# Altium PCB PCB v2.8.PcbDoc
Units mm, origin at the board's own origin, x right, y up, seen from the top; angles counter-clockwise.
Board outline 52 x 32 mm, 2 copper layers (Top Layer, Bottom Layer), stack 1.672 mm thick; 48 components, 43 nets, 197 pads, 40 vias.
Unrouted connection lines stored in the file: 7.
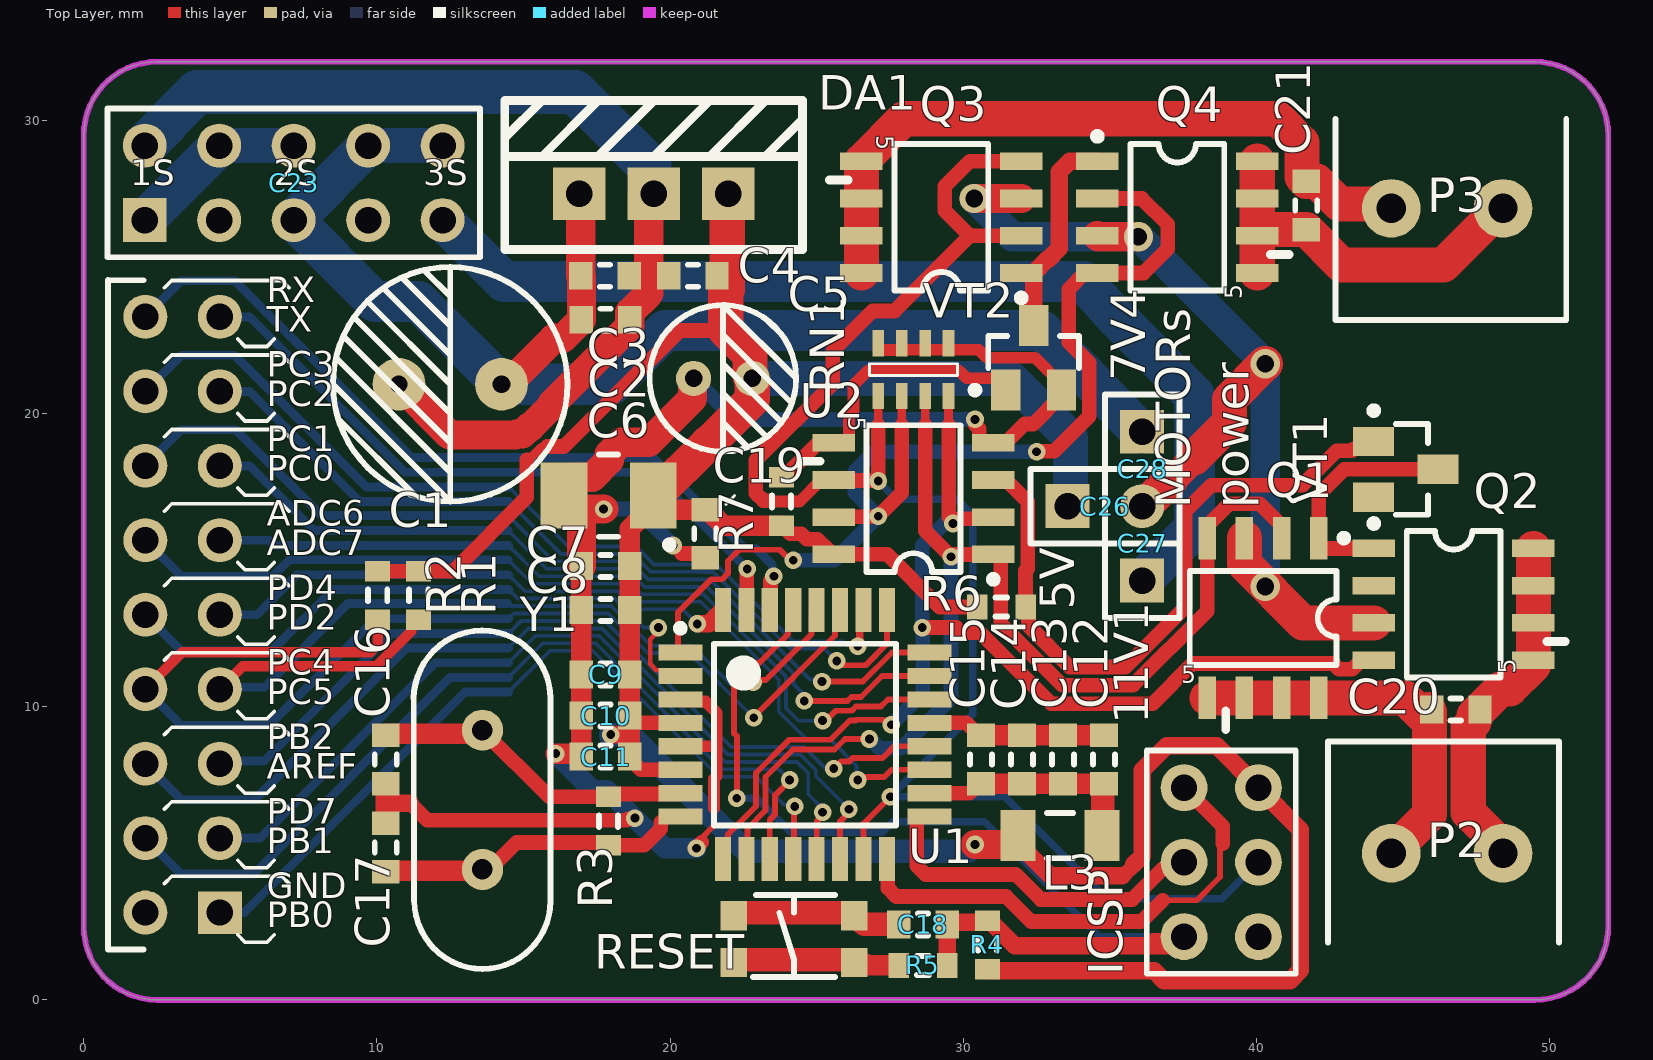
[diagram p0: Top Layer view]
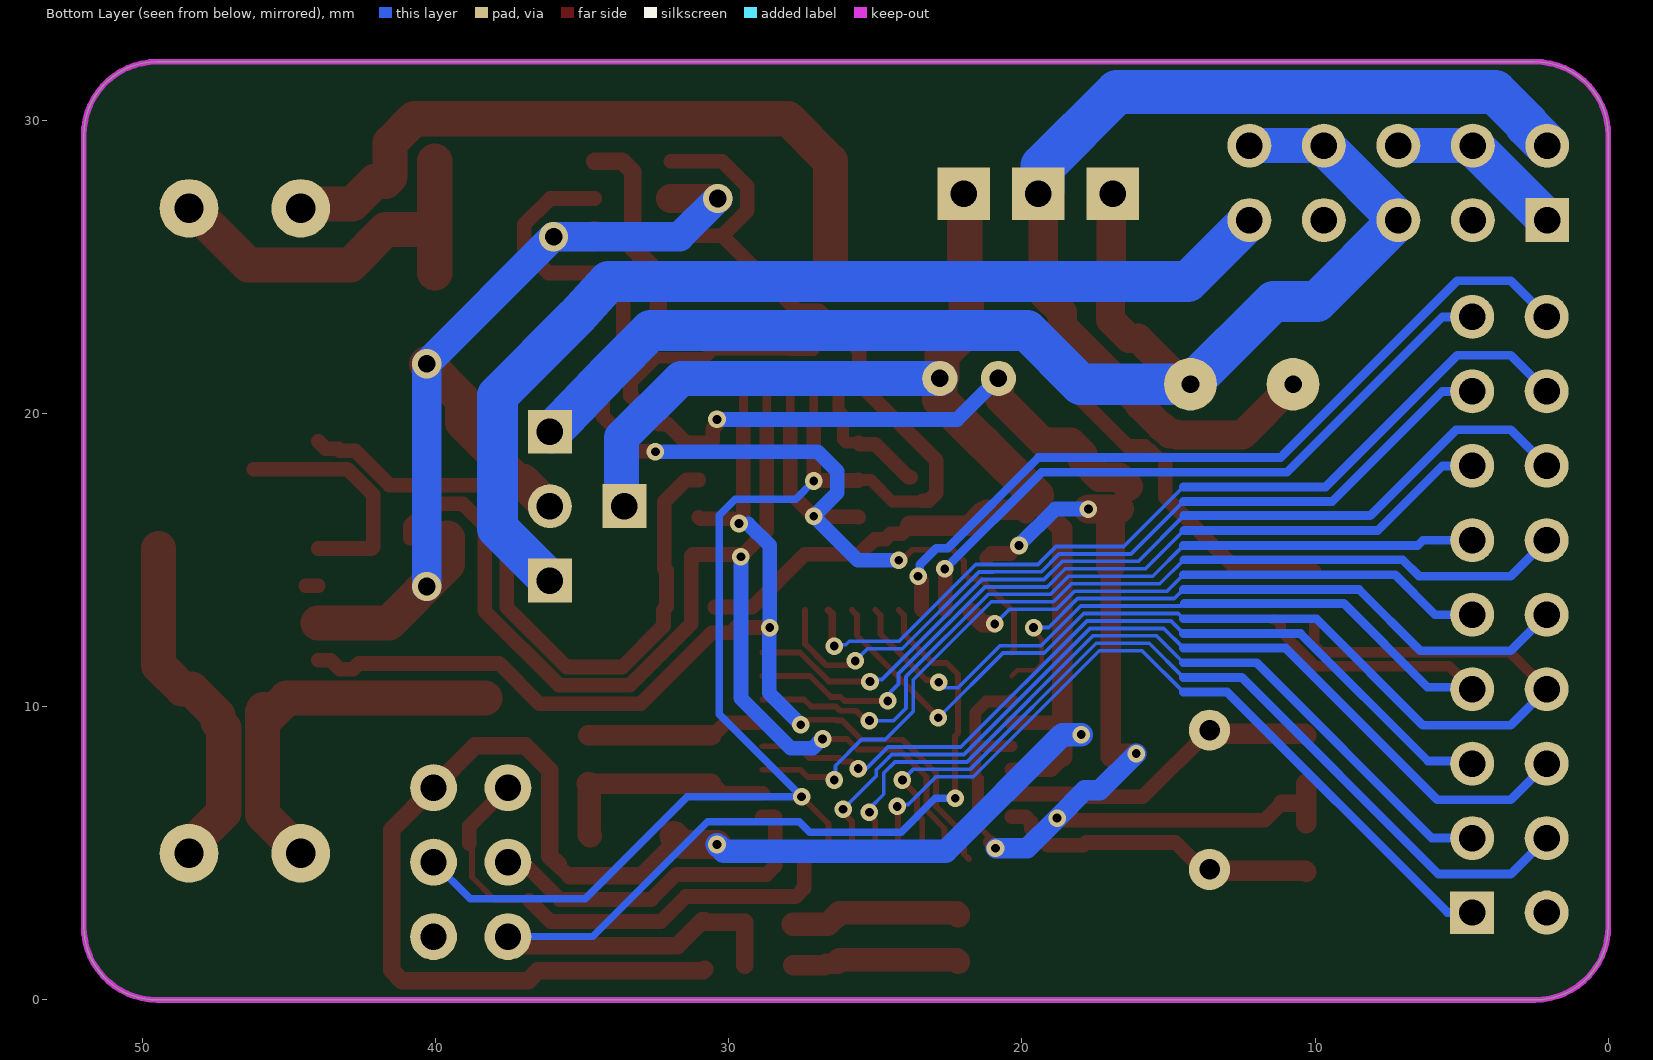
[diagram p1: Bottom Layer view, seen from below]
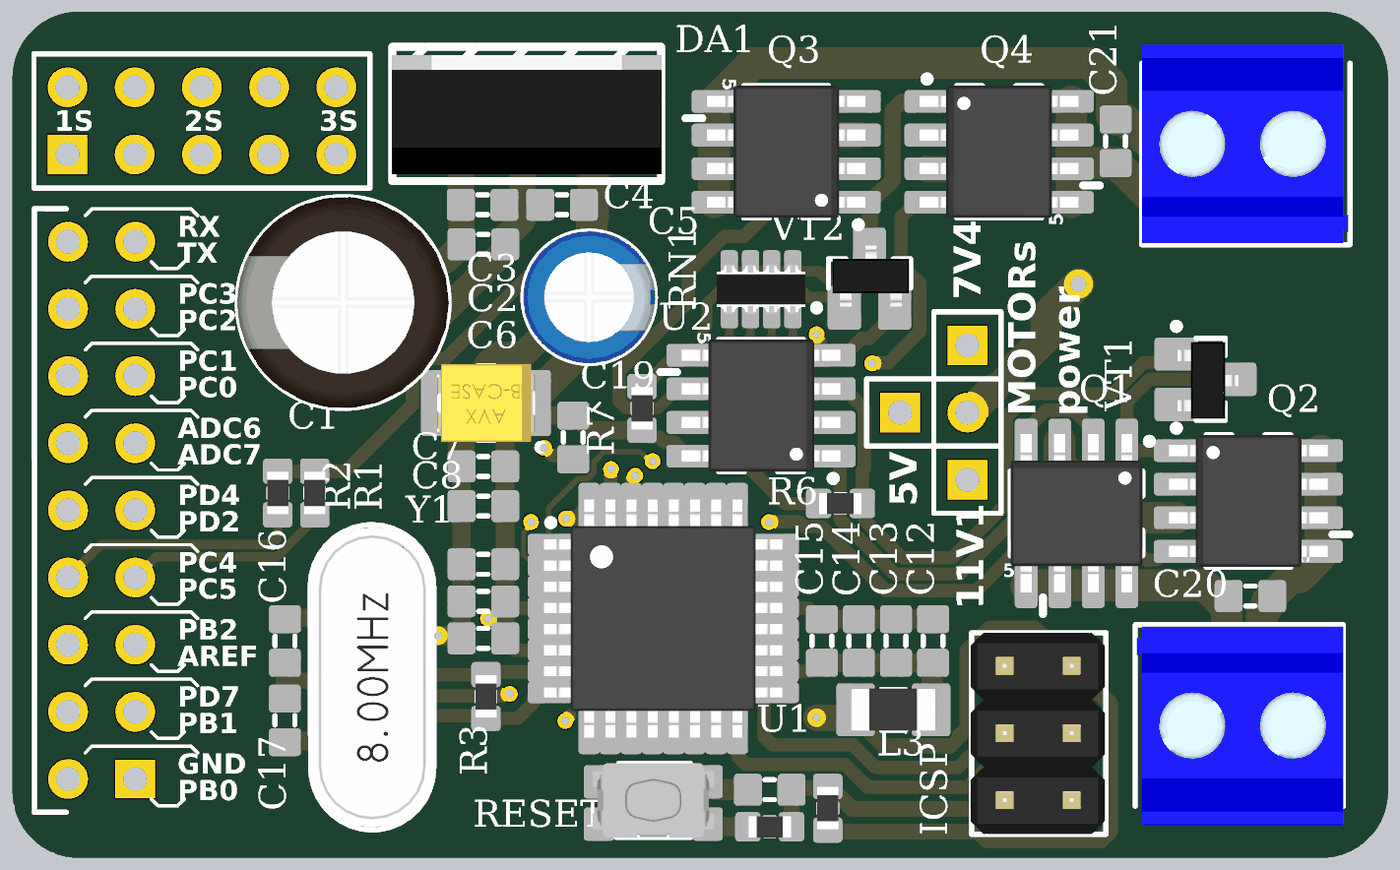
[diagram p2: 3D render of the assembled board from above, using the file's embedded part models]

## Layer stack, top to bottom
Top Solder: solder mask 0.01, Solder Resist, Dk 3.5
Top Layer: signal copper 0.036
Core: dielectric 1.6, FR-4, Dk 4.8
Bottom Layer: signal copper 0.036
Bottom Solder: solder mask 0.01, Solder Resist, Dk 3.5

## Board outline
0,2.5 ccw(c2.5,2.5) 2.5,0 49.5,0 ccw(c49.5,2.5) 52,2.5 52,29.5 ccw(c49.5,29.5) 49.5,32 2.5,32 ccw(c2.5,29.5) 0,29.5

## Design rules (kind name [scope] priority, off if disabled: settings)
Clearance [All] p1: gap=0.254 ignorepadtopadclearanceinfootprint=FALSE except(0: Arc-Hole Track-Hole SMDPad-Hole THPad-Hole Via-Hole Fill-Hole Poly-Hole Region-Hole Text-Hole; 0.127: Arc-Arc Arc-Track Track-Track SMDPad-SMDPad; 0.2: Arc-SMDPad Track-SMDPad; 0.33: Arc-THPad Track-THPad)
DiffPairsRouting [All] p1: maxlimit=0.254 minlimit=0.254 mostfreqgap=0.254 toplayer_minwidth=0.254 toplayer_maxwidth=0.381 toplayer_prefwidth=0.381 bottomlayer_minwidth=0.254 bottomlayer_maxwidth=0.381 bottomlayer_prefwidth=0.381 maxuncoupledlength=12.7
HoleSize [All] p1: absolutevalues=TRUE maxlimit=6.3 minlimit=0.3 maxpercent=80.000 minpercent=20.000
HoleToHoleClearance [All] p1: gap=0.54 allowstackedmicrovias=TRUE
PasteMaskExpansion [All] p1: expansion=0.13
PolygonConnect [All] p1: connectstyle=Relief reliefconductorwidth=0.254 reliefentries=4 polygonreliefangle="90 Angle" airgapwidth=0.254
RoutingCorners [All] p1: cornerstyle=Round minsetback=2.54 maxsetback=2.54
RoutingVias [All] p1: holewidth=0.3 width=0.6 viastyle="Through Hole" minholewidth=0.3 minwidth=0.6 maxholewidth=6.3 maxwidth=6.5
SilkToSolderMaskClearance [IsPad] p1: minsilkscreentomaskgap=0.15 clearancetoexposedcopper=TRUE
SolderMaskExpansion [All] p1: expansion=0.05 istentingtop=FALSE
Width [All] p1: maxlimit=2 minlimit=0.127 preferedwidth=0.3
24 further rules are at their usual default settings.

## Classes and differential pairs
component class Schematic_page3: C19 C20 C21 P2 P3 Q1 Q2 Q3 Q4 R6 R7 U2 VT1 VT2
component class Schematic_page2: C16 C17 C18 ICSP R1 R3 R4 R5 RESET U1 Y1
component class Schematic_page1: C1 C2 C3 C4 C5 C6 C7 C8 C9 C10 C11 C12 C13 C14 C15 D? DA1 DA? L3

## Components (designator, comment, footprint, x,y, rotation, side; value= is the part's Value field where it differs from the comment)
C1 "470uF 25V" CapElec_8x16_3.5mm 12.5,21 r180 top
C2 "4.7uF" C0603 17.8,23.2 r0 top
C3 "0.33uF" C0603 17.775,24.7 r0 top
C4 "0.1uF" C0603 20.775,24.7 r180 top
C5 "100uF 10V" CapElec_5x11_2mm 21.8,21.2 r0 top
C6 "22uF 10V" TANT-B 17.9,17.2 r180 top
C7 "0.01uF" C0603 17.8,14.8 r180 top
C8 "100pF" C0603 17.8,13.3 r180 top
C9 "4.7uF" C0603 17.8,11.1 r180 top
C10 "0.1uF" C0603 17.8,9.7 r180 top
C11 "0.1uF" C0603 17.8,8.3 r180 top
C12 "1uF" C0603 34.8,8.2 r90 top
C13 "0.1uF" C0603 33.4,8.2 r90 top
C14 "0.01uF" C0603 32,8.2 r90 top
C15 "100pF" C0603 30.6,8.2 r90 top
C16 "22pF 1%" C0603 10.3,8.2 r90 top
C17 "22pF 1%" C0603 10.3,5.2 r90 top
C18 "0.1uF" C0603 28.625,2.575 r180 top
C19 "0.1uF" C0603 21.2,15.9 r270 top
C20 "0.1uF" C0603 46.8,9.9 r180 top
C21 "0.1uF" C0603 41.7,27.1 r90 top
C23 "Comment" HDR2X5_CEN 2.08,26.6 r0 top
C26 "Comment" HDR1X2 33.56,16.84 r0 top
C27 "Comment" HDR1X2 36.1,14.3 r90 top
C28 "Comment" HDR1X2 36.1,19.38 r270 top
DA1 "L7805" TO-220A 19.44,28.135 r0 top
ICSP "ICSP" "2x3 Male Header Through Hole Pitch 2.54 mm" 38.8,4.7 r90 top (schematic designator P1)
L3 "10uH" IND1206 33.3,5.6 r0 top
P2 "Terminal 3.81mm" "Terminal 2x 3.81mm" 46.505,5 r180 top
P3 "Terminal 3.81mm" "Terminal 2x 3.81mm" 46.505,27 r0 top
Q1 "" SOIC-8 40.225,13.026 r270 top
Q2 "" SOIC-8 46.725,13.495 r0 top
Q3 "" SOIC-8 29.25,26.7 r180 top
Q4 "" SOIC-8 37.3,26.7 r0 top
R1 "10k 5%" R0603 11.425,13.8 r90 top
R2 "10k 5%" R0603 10.025,13.8 r90 top
R3 "10M 5%" R0603 17.9,6.1 r90 top
R4 "10k 5%" R0603 30.825,1.875 r90 top
R5 "300 5%" R0603 28.625,1.175 r180 top
R6 "10k 5%" R0603 31.3,13.4 r0 top
R7 "10k 5%" R0603 23.8,17 r90 top
RESET "Button" KMR221GLFS 26.725,3.475 r180 top
RN1 "Comment" RN_YC164-JR-072K2L 28.3,21.5 r90 top
U1 "ATMega328PB-AU" "TQFP-32 (7x7)" 24.6,9.05 r0 top
U2 "CD40107BM" SOIC-8 28.3,17.1 r180 top
VT1 "" SOT-23-3 45.1,18.1 r0 top
VT2 "" SOT-23-3 32.4,21.9 r90 top
Y1 "" HC-49S 13.6,6.825 r90 top

## Footprints (in the part's own frame and the unit in brackets; to place one, negate y for a bottom-side part, rotate by r counter-clockwise, add the part's x,y. Pads: shape width x height; smd on the part's side, far side on the other; paste and mask are expansions set on the pad)
"2x3 Male Header Through Hole Pitch 2.54 mm" [mm]
  round 1.6 hole 0.9: 1(2.54,1.27) 2(2.54,-1.27) 3(0,1.27) 4(0,-1.27) 5(-2.54,1.27) 6(-2.54,-1.27)
  silkscreen extent -3.81,-2.54 3.81,2.54, body extent -3.81,-2.5 3.81,2.58, height 9.2
C0603 [mm]
  rect 0.8x0.95 smd: 1(-0.825,0) 2(0.825,0)
  silkscreen extent -0.18,-0.38 0.18,0.38, body extent -0.8,-0.4 0.8,0.4, height 0.5
CapElec_5x11_2mm [mm]
  round 1.2 hole 0.6: 1(1,0) 2(-1,0)
  silkscreen extent -2.5,-2.5 2.5,2.5, body extent -2.5,-2.5 2.5,2.5, height 11.3
CapElec_8x16_3.5mm [mm]
  round 1.8 hole 0.6: 1(-1.75,0) 2(1.75,0)
  silkscreen extent -4,-4 4,4, body extent -4,-4 4,4, height 16.5
HC-49S [mm]
  round 1.4 hole 0.7: 1(-2.375,0) 2(2.375,0)
  silkscreen extent -5.77,-2.32 5.77,2.35, body extent -5.67,-2.32 5.68,2.33, height 3.6
HDR1X2 [mm] "Connector; Header; 2 Position"
  rect 1.5x1.5 hole 0.9: 1(0,0)
  round 1.5 hole 0.9: 2(2.54,0)
  silkscreen extent -1.27,-1.27 3.81,1.27
HDR2X5_CEN [mm] "Connector; Header; 5x2 Position"
  rect 1.5x1.5 hole 0.9: 1(0,0)
  round 1.5 hole 0.9: 2(0,2.54) 3(2.54,0) 4(2.54,2.54) 5(5.08,0) 6(5.08,2.54) 7(7.62,0) 8(7.62,2.54) 9(10.16,0) 10(10.16,2.54)
  silkscreen extent -1.27,-1.27 11.43,3.81
IND1206 [mm]
  rect 1.2x1.74 smd: 1(-1.43,0) 2(1.43,0)
  silkscreen extent -0.45,-0.77 0.45,0.77, body extent -1.6,-0.8 1.6,0.8, height 1.8
KMR221GLFS [mm]
  rect 0.9x1 smd mask+0.102: 1(4.55,2.2)
  rect 0.9x1 smd: 2(0.45,2.2) 3(0.45,0.6) 4(4.55,0.6)
  silkscreen extent 1.1,-0.1 3.9,2.7, body extent 0.2,-0.1 4.8,2.7, height 1.92
R0603 [mm]
  rect 0.7x0.85 smd: 1(-0.825,0) 2(0.825,0)
  silkscreen extent -0.2,-0.33 0.2,0.33, body extent -0.8,-0.4 0.8,0.4, height 0.5
RN_YC164-JR-072K2L [mm] "Chip Array, ConvexE, 8-Leads, Pitch 0,80mm,  Body 3,20x1,60mm,  IPC Medium Density"
  rect 0.9x0.4 smd: 1(-0.9,1.2) 2(-0.9,0.4) 3(-0.9,-0.4) 4(-0.9,-1.2) 5(0.9,-1.2) 6(0.9,-0.4) 7(0.9,0.4) 8(0.9,1.2)
  silkscreen extent -0.2,-1.5 0.2,1.5, body extent -0.92,-1.68 0.92,1.68, height 0.7
SOIC-8 [mm]
  rect 1.45x0.6 smd: 1(-2.725,1.905) 2(-2.725,0.635) 3(-2.725,-0.635) 4(-2.725,-1.905) 5(2.725,-1.905) 6(2.725,-0.635) 7(2.725,0.635) 8(2.725,1.905)
  silkscreen extent -2.85,-2.5 3.81,2.88, body extent -3,-2.5 3,2.5, height 1.75
SOT-23-3 [mm]
  rect 1.4x1 smd: 1(-1.1,0.95) 2(-1.1,-0.95) 3(1.1,0)
  silkscreen extent -1.22,-1.55 0.75,2.12, body extent -1.05,-1.5 1.25,1.4, height 1
TANT-B [mm]
  rect 1.6x2.25 smd: 1(-1.525,0) 2(1.525,0)
  silkscreen extent -2.2,-1.4 0.32,1.8, body extent -1.85,-1.46 1.85,1.47, height 2.03
"Terminal 2x 3.81mm" [mm]
  round 2 hole 1: 1(-1.905,0) 2(1.905,0)
  silkscreen extent -3.81,-3.81 4.06,3.05, body extent -3.81,-3.75 4,3.75, height 8.5
TO-220A [mm]
  rect 1.8x1.8 hole 0.9: 1(-2.54,-0.635) 2(0,-0.635) 3(2.54,-0.635)
  silkscreen extent -5.08,-2.54 5.08,2.54, body extent -5.1,-2.29 5.1,2.21, height 19.5
"TQFP-32 (7x7)" [mm] "TQFP, 32-Leads, Body 7,00x7,00mm, Pitch 0,80mm, IPC Medium Density"
  rect 1.5x0.55 smd: 1(-4.25,2.8) 2(-4.25,2) 3(-4.25,1.2) 4(-4.25,0.4) 5(-4.25,-0.4) 6(-4.25,-1.2) 7(-4.25,-2) 8(-4.25,-2.8) 17(4.25,-2.8) 18(4.25,-2) 19(4.25,-1.2) 20(4.25,-0.4) 21(4.25,0.4) 22(4.25,1.2) 23(4.25,2) 24(4.25,2.8)
  rect 0.55x1.5 smd: 9(-2.8,-4.25) 10(-2,-4.25) 11(-1.2,-4.25) 12(-0.4,-4.25) 13(0.4,-4.25) 14(1.2,-4.25) 15(2,-4.25) 16(2.8,-4.25) 25(2.8,4.25) 26(2,4.25) 27(1.2,4.25) 28(0.4,4.25) 29(-0.4,4.25) 30(-1.2,4.25) 31(-2,4.25) 32(-2.8,4.25)
  silkscreen extent -4.37,-3.1 3.1,3.75, body extent -4.5,-4.5 4.5,4.5, height 1.2

## Part data
C1: library part Capacitor_Elec, Case=8x16_3.5mm, Manufacturer=JB, HelpURL=https://www.chipdip.by/product0/9000565915, Model="25V 20%"
C2 C3 C4 C7 C8 C9 C10 C11 C12 C13 C14 C15: library part Capasitor, Case=C0603
C5: library part Capacitor_Elec, Case=5x11_2mm, Manufacturer=JB, HelpURL=https://www.chipdip.by/product0/9000565886, Model="10V 20%"
C6: library part Capasitor_Tantalum, Case=TANT-B, Manufacturer=-, HelpURL=https://www.chipdip.by/product0/9000502415, Model="10V 10%"
C16 C17 C18 C19 C20 C21: library part Capasitor
DA1: library part L75xx, "Linear Voltage Regulator IC  1 Output  1.5A TO-220AB", Case=TO-220, Manufacturer=STMicroelectronics, HelpURL=https://www.digikey.com/product-detail/en/stmicroelectronics/L7805CV/497-1443-5-ND/585964, Model=L7805
L3: library part Inductivity
Q1 Q2 Q3 Q4: library part IRF7307, "Mosfet Array N and P-Channel 20V 5.2A, 4.3A 2W Surface Mount 8-SO", Case=SOIC-8, Manufacturer="Infineon Technologies", HelpURL=https://www.digikey.com/product-detail/en/infineon-technologies/IRF7307TRPBF/IRF7307PBFCT-ND/812597
R1 R2 R3 R4 R5 R6 R7: library part Resistor
RESET: "SWITCH TACTILE SPST-NO 0.05A 32V", Case=KMR221GLFS, Manufacturer=C&K, HelpURL=https://www.digikey.com/product-detail/en/c-k/KMR221GLFS/401-1427-1-ND/550466, Model=KMR221GLFS
U1: library part ATMega328P, "AVR AVR® ATmega Microcontroller IC 8-Bit 20MHz 32KB (16K x 16) FLASH 32-TQFP (7x7)", Case=TQFP-32, Manufacturer="Microchip Technology", HelpURL=https://www.digikey.com/product-detail/en/microchip-technology/ATMEGA328PB-AU/ATMEGA328PB-AU-ND/5638812, Model=ATMega328PB-AU
U2: "NAND Gate IC 2 Channel Open Drain 8-SOIC", Case=SOIC-8, Manufacturer="Texas Instruments", HelpURL=https://www.chipdip.by/product/cd40107bm, Model=CD40107BM
VT1 VT2: library part IRLML6344TRPBF, "N-Channel 30V 5A (Ta) 1.3W (Ta) Surface Mount Micro3™/SOT-23", Case=SOT-23-3, Manufacturer="Infineon Technologies", HelpURL=https://www.digikey.com/product-detail/en/infineon-technologies/IRLML6344TRPBF/IRLML6344TRPBFCT-ND/2538168
Y1: library part Crystal

## Free pads (board coordinates)
  rect 1.5x1.45 hole 0.9: 1(4.64,2.98)
  round 1.5 hole 0.9: 2(2.1,2.98) 3(4.64,5.52) 4(2.1,5.52) 5(4.64,8.06) 6(2.1,8.06) 7(4.64,10.6) 8(2.1,10.6) 9(4.64,13.14) 10(2.1,13.14) 11(4.64,15.68) 12(2.1,15.68) 13(4.64,18.22) 14(2.1,18.22) 15(4.64,20.76) 16(2.1,20.76) 17(4.64,23.3) 18(2.1,23.3)

## Via types
v1: diameter 0.6, hole 0.3, Top Layer to Bottom Layer, 36 vias
v2: diameter 1, hole 0.6, Top Layer to Bottom Layer, 4 vias

## Nets (pads, with @x,y where several pads share a name; then routed paths per layer and width w, separated by ;. In a path a pad name is that pad's centre, name@x,y a point inside that pad or via, vN(x,y) a via of type N, cw(c..) or ccw(c..) an arc to the next point about the centre after c; other vN are vias at no path point)
ADC6: pad.12 U1.19 | length 31.6
  Top Layer w0.2: v1(26.4,7.5) 26.6,7.5 26.7,7.6 27.3,7.6 27.55,7.85 U1.19
  Bottom Layer w0.127: 14.474,15.016 15.294,14.196 18.31,14.196 18.927,13.579 21.046,13.579 23.703,10.922 23.703,9.841 23.835,9.71 24.664,8.88 25.467,8.88 26.356,7.99 26.356,7.544 v1(26.4,7.5)
  Bottom Layer w0.3: pad.12 3.33,14.45 6.45,14.45 7.016,15.016 14.474,15.016
ADC7: pad.11 U1.22 | length 27.7
  Top Layer w0.2: v1(25.201,9.525) 25.309,9.525 25.646,9.862 26.193,9.862 26.339,10.008 27.189,10.008 27.431,10.25 U1.22
  Bottom Layer w0.127: 14.491,15.5 15.54,14.45 18.415,14.45 19.032,13.833 21.151,13.833 23.957,11.027 23.957,9.946 24.378,9.525 v1(25.201,9.525)
  Bottom Layer w0.3: pad.11 6.32,15.68 6.5,15.5 14.491,15.5
AGND: C12.2 C13.2 C14.2 C15.2 U1.21 | length 6.1
  Top Layer w0.5: U1.21 30.1,9.45 30.525,9.025 C15.2
  Top Layer w0.7: C15.2 C14.2 C13.2 C12.2
AREF: pad.5 U1.20 | length 28.6
  Top Layer w0.2: v1(25.583,7.89) 25.829,8.137 26.112,8.137 26.221,8.246 27.246,8.246 27.65,8.65 U1.20
  Bottom Layer w0.127: 14.491,12.5 14.917,12.926 17.784,12.926 22.084,8.625 23.158,8.625 ; 23.158,8.626 24.566,8.626 25.301,7.89 v1(25.583,7.89)
  Bottom Layer w0.3: pad.5 4.729,8.149 6.149,8.149 10.5,12.5 14.491,12.5
AVCC: C12.1 C13.1 C14.1 C15.1 L3.2 U1.18 | length 7.8
  Top Layer w0.5: U1.18 30.2,7.05 30.525,7.375 C15.1
  Top Layer w0.7: C15.1 C14.1 C13.1 C12.1@34.73,7.375
  Top Layer w0.8: L3.2 34.765,5.635 34.765,7.375 C12.1
GND: C1.2 C2.2 C3.2 C4.2 C5.2 C6.2 C7.2 C8.2 C9.2 C10.2 C11.2 C18.2 C19.2 C23.2 DA1.2 ICSP.6 pad.2 RESET.3 RESET.4 RN1.5 RN1.6 RN1.7 RN1.8 U1.3 U1.5 U2.4 VT1.2 VT2.2 | length 105.1
  Top Layer w0.2: v1@21.075,5.377 21.075,5.525 21.5,5.95 21.5,6.535
  Top Layer w0.4: C11.2 C11.2@16.975,8.375 ; U1.5 21.592,8.65 ; U1.3 20.425,10.175 21.216,10.175 21.592,9.799 21.592,8.65 ; 21.5,6.535 21.5,7.547 21.592,7.639 21.592,8.65 ; RN1.8 27.1,22.166 27.9,22.166 RN1.7@27.9,22.175 ; RN1.7 RN1.7@27.9,22.175 ; RN1.6 RN1.6@28.7,22.175 ; RN1.5 RN1.5@29.5,22.175 ; VT2.2@33.35,21 32.45,21.9 30.8,21.9 30.525,22.175 RN1.5@29.5,22.175 ; RN1.7@27.9,22.175 RN1.6@28.7,22.175 ; RN1.6@28.7,22.175 RN1.5@29.5,22.175
  Top Layer w0.5: 11.133,6.703 11.711,6.125 18.511,6.125 18.567,6.181 18.781,6.181 v1(18.8,6.2) ; 20.402,15.225 21.05,15.225 C19.2 ; v1(20.9,5.175) 20.9,5.202 v1@21.075,5.377 ; v1(30.4,19.8) 30.419,19.781 30.419,19.611 30.55,19.48 30.55,19.055 30.6,19.005 U2.4 31.45,19.005 32.088,19.643 32.393,19.643 33.35,20.6 VT2.2 VT2.2@33.35,21
  Top Layer w0.7: v1(16.1,8.4) 16.875,8.4 C11.2 ; C11.2@16.975,8.375 C10.2 C9.2 C8.2 C7.2
  Top Layer w0.8: RESET.4 22.175,2.925 22.225,2.975 26.225,2.975 26.275,2.925 RESET.3 26.325,2.875 26.625,2.575 C18.2
  Top Layer w1: C1.2 12.48,19.27 14.723,19.27 14.753,19.3 14.956,19.3 15.108,19.452 15.11,19.452 15.21,19.552 15.249,19.552 15.98,20.283 15.98,20.34 C2.2@18.625,22.985 ; C6.2@16.375,17.525 16.675,17.825 17.339,17.825 17.925,18.411 17.925,18.615 18.335,19.025 19.275,19.025 20.762,20.512 20.762,21.162 C5.2 ; C6.2@16.675,16.743 16.975,16.743 v1(17.732,16.743) ; C7.2 C6.2@16.975,16.275 ; C2.2 18.625,23.451 19.275,24.101 19.275,27.335 DA1.2
  Bottom Layer w0.5: v1(17.732,16.743) 18.857,16.743 v1(20.1,15.5) ; C5.2 22.2,19.8 v1(30.4,19.8)
  Bottom Layer w0.7: v1(16.1,8.4) 17.352,7.148 17.852,7.148 v1(18.8,6.2) 19.825,5.175 v1(20.9,5.175)
  Bottom Layer w1.5: C23.2 2.79,29.85 2.79,29.898 3.862,30.97 16.757,30.97 19.29,28.437 19.29,27.65 DA1.2
M_POWER: C26.2 C27.2 C28.2 Q1.3 Q2.3 Q3.3 Q4.3 | length 35.7
  Top Layer w1: v2(30.375,27.335) Q3.3 ; Q4.3 34.605,26.035 v2(35.975,26.035) ; 37.041,17.7 37.141,17.8 37.194,17.8 37.68,18.286 37.68,18.296 37.87,18.486
  Top Layer w1.2: C28.2 36.181,16.84 37.041,17.7 ; 37.87,18.486 39.085,19.701 39.085,20.485 v2(40.3,21.7) ; Q1.3 39.59,14.865 41.595,12.86 Q2.3
  Bottom Layer w1: v2(30.375,27.335) 31.675,26.035 v2(35.975,26.035) 40.3,21.71 v2(40.3,21.7) v2(40.3,14.1)
NetC19_2: 
NetC20_1: C20.1 P2.1 Q2.5 Q2.6 Q2.7 Q2.8 | length 12
  Top Layer w1.2: P2.1 48.41,5.216 47.227,6.399 47.227,9.275 47.426,9.474 47.426,9.701 48.328,10.603 48.638,10.603 49.45,11.415 Q2.5 Q2.6 Q2.7 Q2.8
NetC20_2: C20.2 P2.2 Q1.5 Q1.6 Q1.7 Q1.8 | length 13.2
  Top Layer w1.2: Q1.5 Q1.6 Q1.7 Q1.8 45.074,10.301 45.671,9.704 C20.2@45.867,9.9 ; P2.2 44.6,5.032 45.9,6.332 C20.2@45.9,9.825
NetC21_1: C21.1 P3.2 Q4.5 Q4.6 Q4.7 Q4.8 | length 13.5
  Top Layer w1.2: Q4.5 Q4.6 Q4.6@40.025,26.15 ; Q4.8 Q4.7 Q4.6@40.025,26.15 ; P3.2 48.31,27 46.38,25.07 42.905,25.07 C21.1 40.15,26.275 Q4.6@40.025,26.15
NetC21_2: C21.2 P3.1 Q3.5 Q3.6 Q3.7 Q3.8 | length 24.4
  Top Layer w1.2: Q3.8 Q3.7 Q3.6 Q3.5 27.979,30.059 40.727,30.059 41.55,29.236 41.55,28.075 C21.2 42.056,27.925 42.828,27.153 44.447,27.153 P3.1
NetQ1_1: Q1.1 Q2.1 VT1.3 | length 8.1
  Top Layer w0.5: Q2.1 42.18,15.4 42.13,15.45 42.13,17.226 43.004,18.1 43.114,18.1 44.886,18.1 VT1.3
NetQ3_1: Q3.1 Q4.1 VT2.3 | length 7.5
  Top Layer w0.6: Q3.1 Q3.1@32.4,24.795 ; VT2.3 Q3.1@32.4,24.795 ; Q4.1 33.626,28.605 33.275,28.254 33.275,25.633 32.907,25.265 32.87,25.265 Q3.1@32.4,24.795
NetR5_2: R5.2 RESET.1 RESET.2 | length 5.8
  Top Layer w0.7: RESET.2 26.325,1.225 26.675,1.225 26.725,1.175 R5.2
  Top Layer w0.8: RESET.1 22.175,1.325 22.225,1.375 26.225,1.375 26.275,1.325 RESET.2
OSC_GND: C16.1 C17.2 | length 1.3
  Top Layer w0.7: C17.2 C16.1
OSC_IN: C16.2 R3.2 U1.7 Y1.2 | length 11.1
  Top Layer w0.5: Y1.2 15.875,6.925 R3.2 18,7.025 U1.7@20.325,7.025
  Top Layer w0.7: C16.2 10.35,9.075 13.475,9.075 Y1.2
OSC_OUT: C17.1 R3.1 U1.8 Y1.1 | length 11
  Top Layer w0.5: Y1.1 13.844,4.45 14.765,5.371 17.804,5.371 17.904,5.271 19.112,5.271 19.676,5.835 19.676,6.051 19.875,6.25 U1.8
  Top Layer w0.7: C17.1 10.338,4.413 13.563,4.413 Y1.1
PB0: pad.1 U1.12 | length 27.3
  Top Layer w0.2: U1.12 24.226,4.826 24.226,6.575 v1(24.251,6.6)
  Bottom Layer w0.127: 14.491,10.5 15.901,11.91 17.362,11.91 21.663,7.609 22.928,7.609 23.874,6.663 24.189,6.663 v1(24.251,6.6)
  Bottom Layer w0.3: pad.1 5.48,2.98 13,10.5 14.491,10.5
"PB1 (OC1A)": pad.3 U1.13 | length 28.1
  Top Layer w0.2: U1.13 25,6.092 25.2,6.292 v1(25.2,6.4)
  Bottom Layer w0.127: 14.491,11.5 15.409,12.418 17.573,12.418 21.873,8.117 23.82,8.117 24.332,8.118 24.711,7.739 24.711,7.014 25.2,6.525 v1(25.2,6.4)
  Bottom Layer w0.3: pad.3 6.011,5.52 11.991,11.5 14.491,11.5
"PB2 (SS/OC1B)": pad.6 U1.14 | length 31.4
  Top Layer w0.2: U1.14 25.8,6.092 26.1,6.392 v1(26.1,6.5)
  Bottom Layer w0.127: 14.491,12 15.163,12.672 17.678,12.672 21.979,8.371 23.263,8.371 24.437,8.372 24.965,7.844 24.965,7.635 v1(26.1,6.5)
  Bottom Layer w0.3: pad.6 3.33,6.83 5.83,6.83 11,12 14.491,12
"PB3 (MOSI/OC2A)": ICSP.4 Q3.2 Q3.4 RN1.1 U1.15 U2.6 | length 58
  Top Layer w0.2: U1.15 26.6,6.012 v1(27.515,6.927)
  Top Layer w0.3: 27.1,19.6 RN1.1
  Top Layer w0.4: 23.4,17 24.415,17 25.15,17.735 U2.6
  Top Layer w0.5: 23.375,17.025 23.189,17.025 22.925,17.289 22.925,18.4 25.55,21.025 25.55,22.136 26.914,23.5 27.66,23.5 30.225,26.065 ; U2.6 25.593,17.718 27.083,17.718 v1(27.1,17.7) 27.1,19.6 ; Q3.2 30.225,26.065 ; Q3.4 30.225,28.605 29.371,27.751 29.371,26.919 30.225,26.065
  Bottom Layer w0.25: v1(27.1,17.7) 27.718,17.082 29.778,17.082 30.329,16.531 30.329,9.741 v1(27.515,6.927) 31.418,6.927 34.9,3.445 38.815,3.445 ICSP.4
"PB4 (MISO)": ICSP.1 U1.16 | length 17.1
  Top Layer w0.2: 36.8,3.4 37.969,3.4 38.76,4.191 38.76,5.251 38.845,5.336
  Top Layer w0.5: U1.16 27.425,4.775 27.425,3.819 27.718,3.526 31.471,3.526 32.325,2.672 36.072,2.672 36.8,3.4 ; ICSP.1 38.845,5.925 38.845,5.336
"PB5 (SCK)": ICSP.3 U1.17 | length 12.2
  Top Layer w0.5: U1.17 28.443,6.25 28.418,6.225 28.418,4.573 28.711,4.28 31.783,4.28 32.637,3.426 35.76,3.426 36.823,4.49 37.32,4.49 ICSP.3
PC0: pad.13 U1.23 | length 28.2
  Top Layer w0.2: v1(24.576,10.2) 26.054,10.2 26.188,10.335 26.515,10.335 27.23,11.05 U1.23
  Bottom Layer w0.127: 14.48,16.011 15.786,14.704 18.52,14.704 19.137,14.087 21.256,14.087 24.211,11.132 24.211,10.773 24.486,10.499 24.486,10.291 v1(24.576,10.2)
  Bottom Layer w0.3: pad.13 4.648,18.212 5.664,18.212 7.865,16.011 14.48,16.011
PC1: pad.14 U1.24 | length 31.2
  Top Layer w0.2: v1(25.18,10.858) 26.575,10.858 27.567,11.85 U1.24
  Bottom Layer w0.127: 14.471,16.52 16.032,14.958 18.625,14.958 19.243,14.341 21.362,14.341 24.775,10.927 25.111,10.927 v1(25.18,10.858)
  Bottom Layer w0.3: pad.14 3.33,19.45 5.188,19.45 8.118,16.52 14.471,16.52
PC2: pad.15 U1.25 | length 28.1
  Top Layer w0.2: v1(25.684,11.562) 25.792,11.562 25.938,11.416 26.671,11.416 27.4,12.145 U1.25
  Bottom Layer w0.127: 14.491,17 16.278,15.212 18.731,15.212 19.343,14.6 20.975,14.6 20.98,14.595 21.467,14.595 24.083,11.979 25.267,11.979 v1(25.684,11.562)
  Bottom Layer w0.3: pad.15 4.648,20.752 5.664,20.752 9.416,17 14.491,17
PC3: pad.16 U1.26 | length 30.2
  Top Layer w0.25: v1(26.4,12.07) 26.467,12.137 26.467,13.167 U1.26
  Bottom Layer w0.127: 14.491,17.5 16.524,15.466 18.836,15.466 19.448,14.854 21.221,14.854 21.226,14.849 21.572,14.849 24.188,12.233 25.887,12.233 26.005,12.115 26.355,12.115 v1(26.4,12.07)
  Bottom Layer w0.3: pad.16 3.33,21.99 5.149,21.99 9.639,17.5 14.491,17.5
"PC4 (SDA)": pad.8 R2.1 U1.27 | length 38.6
  Top Layer w0.2: v1(22.85,9.625) 22.85,9.653 25.625,12.428 25.625,13.125 U1.27
  Top Layer w0.35: pad.8 3.355,11.855 9.78,11.855 10.025,12.1 R2.1
  Bottom Layer w0.127: 14.491,13 14.671,13.18 17.889,13.18 19.24,11.829 20.646,11.829 v1(22.85,9.625)
  Bottom Layer w0.3: pad.8 3.33,9.37 6.322,9.37 9.952,13 14.491,13
"PC5 (SCL)": pad.7 R1.1 U1.28 | length 32.1
  Top Layer w0.2: v1(22.837,10.836) 22.914,10.913 23.262,10.913 24.825,12.476 24.825,13.125 U1.28
  Top Layer w0.35: pad.7 5.418,11.378 9.978,11.378 11.175,12.575 11.175,12.8 11.35,12.975 R1.1
  Bottom Layer w0.127: 14.453,13.525 14.544,13.434 17.994,13.434 19.345,12.083 20.751,12.083 22.183,10.651 22.652,10.651 v1(22.837,10.836)
  Bottom Layer w0.3: pad.7 4.704,10.664 6.164,10.664 9.025,13.525 14.453,13.525
"PC6 (RESET)": C18.1 ICSP.5 R4.2 R5.1 U1.29 | length 36.4
  Top Layer w0.2: v1(22.276,6.875) 22.276,8.999 22.183,9.092 22.183,11.107 22.566,11.49 23.039,11.49 24.025,12.476 24.025,13.125 U1.29
  Top Layer w0.6: R5.1 C18.1 ; C18.1@29.45,2.65 30.775,2.65 R4.2 30.9,2.7 31.758,1.842 36.379,1.842 ; 36.379,1.842 36.941,1.842 ICSP.5@37.074,1.974 ; 36.379,1.842 36.511,1.974 ICSP.5@37.074,1.974 ; ICSP.5@37.074,1.974 37.344,1.974 ICSP.5 37.259,2.16 ICSP.5@37.074,1.974
  Bottom Layer w0.25: v1(22.276,6.875) 22.964,6.875 24.119,5.721 27.242,5.721 27.6,6.079 30.723,6.079 34.642,2.16 ICSP.5
"PD0 (RX)": pad.18 U1.30 | length 27.5
  Top Layer w0.5: U1.30 23.425,13.325 23.425,14.306 23.542,14.423 v1(23.542,14.45)
  Bottom Layer w0.3: pad.18 3.33,24.53 5.149,24.53 11,18.679 11,18.676 11.176,18.5 19.433,18.5 22.529,15.404 22.921,15.404 23.484,14.84 23.484,14.508 v1(23.542,14.45)
"PD1 (TX)": pad.17 U1.31 | length 23
  Top Layer w0.5: U1.31 22.615,13.314 22.615,14.685 v1(22.629,14.7)
  Bottom Layer w0.3: pad.17 4.648,23.292 5.664,23.292 10.956,18 19.329,18 v1(22.629,14.7)
PD2: pad.9 U1.32 | length 18.6
  Top Layer w0.25: U1.32@21.734,13.234 U1.32
  Top Layer w0.6: v1(20.926,12.826) 21.326,12.826 U1.32@21.734,13.234
  Bottom Layer w0.127: 14.491,14.5 15.048,13.942 18.205,13.942 18.822,13.325 20.427,13.325 v1(20.926,12.826)
  Bottom Layer w0.3: pad.9 5.91,13.14 7.27,14.5 14.491,14.5
"PD3 (OC2B)": Q4.2 Q4.4 RN1.2 U1.1 U2.7 | length 38.9
  Top Layer w0.2: U1.1 20.271,11.929 20.271,13.22 21.401,14.35 21.774,14.35 21.975,14.551 21.975,14.971 22.358,15.354 23.738,15.354 24.092,15 v1(24.2,15)
  Top Layer w0.3: 27.9,19.6 RN1.2
  Top Layer w0.5: U2.7 25.593,16.482 27.083,16.482 v1(27.1,16.5) 27.904,17.304 27.904,19.596 27.9,19.6 ; v1(32.5,18.7) 32.519,18.719 33.106,18.719 34.3,19.914 34.3,21.729 33.6,22.429 33.6,24.245 34.1,24.745 34.525,24.745 Q4.4 36.155,24.795 36.979,25.619 36.979,26.451 36.095,27.335 Q4.2
  Bottom Layer w0.5: v1(24.2,15) 25.6,15 v1(27.1,16.5) 26.296,17.304 26.296,18.033 26.963,18.7 v1(32.5,18.7)
PD4: pad.10 U1.2 | length 22
  Top Layer w0.16: v1(19.601,12.701) 19.601,12.582 19.32,12.301 19.32,11.459 19.534,11.245 20.155,11.245 U1.2
  Bottom Layer w0.127: 14.491,14 14.802,13.688 18.099,13.688 19.087,12.701 v1(19.601,12.701)
  Bottom Layer w0.3: pad.10 3.33,11.91 6.41,11.91 8.5,14 14.491,14
"PD5 (OC0B)": Q2.2 Q2.4 RN1.4 U1.9 U2.2 | length 39.7
  Top Layer w0.2: U1.9 21.975,4.975 21.975,5.649 22.93,6.604 22.93,7.742 24.06,8.871 25.472,8.871 26.136,9.535 26.329,9.535 26.348,9.554 27.273,9.554 27.438,9.389 v1(27.546,9.389)
  Top Layer w0.3: 29.5,19.6 RN1.4
  Top Layer w0.5: v1(28.6,12.7) 29.764,12.7 29.939,12.525 30.575,12.525 33,10.1 36.457,10.1 37.834,11.476 42.616,11.476 42.814,11.278 43.263,11.278 43.575,11.59 Q2.4 ; v1@29.5,16.481 29.5,19.6 ; v1(29.65,16.25) 29.677,16.25 29.842,16.415 30.975,16.415 U2.2 ; Q2.2 Q2.2@44.425,14.13
  Bottom Layer w0.5: v1(27.546,9.389) 28.619,10.462 v1@28.619,12.7 ; v1(28.6,12.7) 28.6,15.5 29.331,16.231
"PD6 (OC0A)": Q1.2 Q1.4 RN1.3 U1.10 U2.1 | length 41
  Top Layer w0.2: U1.10 22.638,4.838 22.638,5.85 23.257,6.469 23.257,7.606 24.195,8.544 25.608,8.544 25.963,8.9 v1(26.8,8.9)
  Top Layer w0.3: 28.7,19.6 RN1.3
  Top Layer w0.5: 28.7,19.6 28.7,16 v1(29.583,15.117) 29.61,15.117 29.688,15.195 31.225,15.195 31.275,15.145 31.275,12.825 33.373,10.727 35.789,10.727 38.32,13.258 Q1.4 38.32,16.176 39.07,16.926 40.11,16.926 40.86,16.176 Q1.2
  Bottom Layer w0.5: v1(26.8,8.9) 26.827,8.9 27.142,8.585 27.879,8.585 29.583,10.289 v1(29.583,15.117)
PD7: pad.4 U1.11 | length 30.7
  Top Layer w0.2: U1.11 23.4,6.149 23.584,6.334 23.584,6.984 24.076,7.476 v1(24.076,7.5)
  Bottom Layer w0.127: 14.491,11 15.655,12.164 17.467,12.164 21.768,7.863 23.713,7.863 v1(24.076,7.5)
  Bottom Layer w0.3: pad.4 3.33,4.29 5.79,4.29 12.5,11 14.491,11
SCP0: R6.2 U2.3 VT1.1 | length 23.2
  Top Layer w0.5: U2.3 31.45,17.735 32.2,16.985 32.2,14.709 32.125,14.634 R6.2 32.225,13.3 32.225,12.762 33.633,11.354 35.529,11.354 37.57,13.395 37.57,16.663 38.461,17.553 41.57,17.553 42.744,18.727 43.257,18.727 43.33,18.8 43.75,18.8 VT1.1
SCP2: R7.2 U2.5 VT2.1 | length 10.5
  Top Layer w0.4: U2.5 26,19.005 26.1,19.105 26.1,19.96 26.254,20.114 26.254,20.97 26.738,21.454 29.862,21.454 30.116,21.2 31.15,21.2 31.45,20.9 VT2.1
  Top Layer w0.5: R7.2 23.875,17.825 25.005,18.955 25.525,18.955 U2.5
VCC: C4.1 C5.1 C6.1 C7.1 C8.1 C9.1 C10.1 C11.1 C19.1 C26.1 DA1.3 ICSP.2 L3.1 R1.2 R2.2 R4.1 R6.1 R7.1 U1.4 U1.6 U2.8 | length 114.7
  Top Layer w0.3: 15.116,18.423 15.216,18.523 15.278,18.523 15.43,18.675 15.432,18.675 15.607,18.85 15.782,18.85 15.807,18.875
  Top Layer w0.5: R2.2 R1.2 12.6,14.625 15.116,17.141 15.116,18.423 ; 15.807,18.875 16.375,18.875 20.331,22.831 21.898,22.831 ; C11.1@18.625,8.225 19,7.85 U1.6 ; C10.1@18.625,9.625 18.775,9.475 18.85,9.475 18.875,9.45 U1.4 ; R7.1@23.8,16.2 24.096,15.904 24.475,15.904 24.664,15.715 25.022,15.715 25.404,15.333 25.404,15.195 U2.8 25.58,15.2 27.4,15.2 29.2,13.4 R6.1 ; 35.427,4.23 35.477,4.28 35.516,4.28 35.78,4.544 35.78,4.583 35.818,4.621
  Top Layer w0.6: v1(17.975,9.05) 18.625,9.05 ; R4.1 30.875,1 31.392,1 31.404,0.988 36.512,0.988 36.846,0.654 41.149,0.654 41.5,1.005 41.5,5.81 ICSP.2 38.64,8.67 36.938,8.67 36.1,7.832 36.1,4.903 35.818,4.621 ; L3.1 31.87,5.33 32.97,4.23 35.427,4.23
  Top Layer w0.7: C11.1 18.625,9.05 18.625,9.625 C10.1 C9.1 C8.1 C7.1 18.625,16.075 19.425,16.875 C6.1 ; C6.1@19.875,16.6 19.875,16.725 C19.1 21.25,16.675 21.325,16.675 21.829,16.171 23.721,16.171 23.725,16.175 R7.1
  Top Layer w1: v1(30.4,5.3) 31.57,5.3 L3.1
  Top Layer w1.2: C6.1@19.5,17.2 21.286,18.986 21.316,18.986 22.8,20.471 C5.1 22.73,21.27 22.73,21.999 21.898,22.831 21.898,24.167 21.952,24.221 21.952,27.472 DA1.3
  Bottom Layer w0.8: v1(17.975,9.05) 18.616,9.05 22.597,5.069 30.169,5.069 v1(30.4,5.3)
  Bottom Layer w1.2: C5.1 31.632,21.2 33.654,19.178 33.654,16.934 C26.1 ; 36.02,19.3 36.1,19.38
VCC_7V4_IN: C1.1 C2.1 C3.1 C23.5 C28.1 DA1.1 | length 45
  Top Layer w1: C1.1 14.466,21 16.034,22.567 16.342,22.567 C2.1 16.975,24.675 C3.1 16.95,27.45 DA1.1
  Bottom Layer w1.4: 9.7,29.14 C23.5 9.932,23.828 11.422,23.828 C1.1 18.002,21 19.832,22.83 32.67,22.83 34.021,21.479 C28.1@36.06,19.34
pads on no net: C23.1 C23.3 C23.4 C23.6 C23.7 C23.8 C23.9 C23.10 C27.1
copper on no net: | length 44.7
  Top Layer w0.6: 10.3,6.7 11.133,6.703
  Bottom Layer w1.2: 4.62,29.14 7.16,29.14 ; 9.7,29.14 12.24,29.14
  Bottom Layer w1.4: 2.08,26.6 4.62,29.14 ; 12.24,26.6 14.34,24.5 34.1,24.5 35.2,23.3 37.88,20.62 37.88,16.08 36.1,14.3

## Polygon pours and split planes (outlines as drawn)
no net on Bottom Layer "NONET_L02_P003" (solid, pour order 3): 13.875,6.15
no net on Top Layer "NONET_L01_P006" (solid, pour order 6): 17,13.7
no net on Top Layer "NONET_L01_P004" (solid, pour order 4): 17.7,8.7

## Keep-outs
Keep-Out Layer:
  the board outline again, w0.2

## Silkscreen, mask and mechanical layers (free items; w line width, h text height)
Top Overlay:
  lines w0.1: 21.9,16.9 22.2,17.2
  lines w0.127: 2.75,3.97 3,4.22 6.75,4.22 7,3.97 ; 2.75,6.51 3,6.76 6.75,6.76 7,6.51 ; 2.75,9.05 3,9.3 6.75,9.3 7,9.05 ; 2.75,11.59 3,11.84 6.75,11.84 7,11.59 ; 2.75,14.13 3,14.38 6.75,14.38 7,14.13 ; 2.75,16.67 3,16.92 6.75,16.92 7,16.67 ; 2.75,19.21 3,19.46 6.75,19.46 7,19.21 ; 2.75,21.75 3,22 6.75,22 7,21.75 ; 2.75,24.29 3,24.54 6.75,24.54 7,24.29 ; 5.25,2.22 5.5,1.97 6.25,1.97 6.5,2.22 ; 5.25,4.76 5.5,4.51 6.25,4.51 6.5,4.76 ; 5.25,7.3 5.5,7.05 6.25,7.05 6.5,7.3 ; 5.25,9.84 5.5,9.59 6.25,9.59 6.5,9.84 ; 5.25,12.38 5.5,12.13 6.25,12.13 6.5,12.38 ; 5.25,14.92 5.5,14.67 6.25,14.67 6.5,14.92 ; 5.25,17.46 5.5,17.21 6.25,17.21 6.5,17.46 ; 5.25,20 5.5,19.75 6.25,19.75 6.5,20 ; 5.25,22.54 5.5,22.29 6.25,22.29 6.5,22.54
  lines w0.2: 0.825,1.725 2.032,1.725 ; 0.83,1.725 0.825,24.55 2.032,24.548
  text "1S" at 1.586,27.5 h1.5
  text "2S" at 6.488,27.5 h1.5
  text "3S" at 11.588,27.5 h1.5
  text "RX" at 6.236,23.5 h1.5
  text "TX" at 6.236,22.5 h1.5
  text "7V4" at 36.6,21.102 h2 r90
  text "PC3" at 6.236,20.96 h1.5
  text "PC2" at 6.236,19.96 h1.5
  text "PC1" at 6.236,18.42 h1.5
  text "PC0" at 6.236,17.42 h1.5
  text "MOTORs / power" at 40.132,16.764 h2 r90
  text "ADC6" at 6.238,15.88 h1.5
  text "ADC7" at 6.238,14.88 h1.5
  text "PD4" at 6.236,13.34 h1.5
  text "5V" at 34.183,13.302 h2 r90
  text "PD2" at 6.236,12.34 h1.5
  text "PC4" at 6.236,10.8 h1.5
  text "PC5" at 6.236,9.8 h1.5
  text "11V1" at 36.7,9.4 h2 r90
  text "PB2" at 6.236,8.26 h1.5
  text "AREF" at 6.238,7.26 h1.5
  text "PD7" at 6.236,5.72 h1.5
  text "PB1" at 6.236,4.72 h1.5
  text "GND" at 6.233,3.18 h1.5
  text "PB0" at 6.236,2.18 h1.5

## Text inside footprints (layer, text, board x,y; h text height)
Q1: Top Overlay "5" at 37.431,10.622 h1
Q2: Top Overlay "5" at 49.028,11.133 h1 r90
Q3: Top Overlay "5" at 26.845,29.494 h1 r270
Q4: Top Overlay "5" at 39.705,23.906 h1 r90
U2: Top Overlay "5" at 25.895,19.894 h1 r270